# KiCad board BioAmp-EXG-Panel.kicad_pcb (continued)
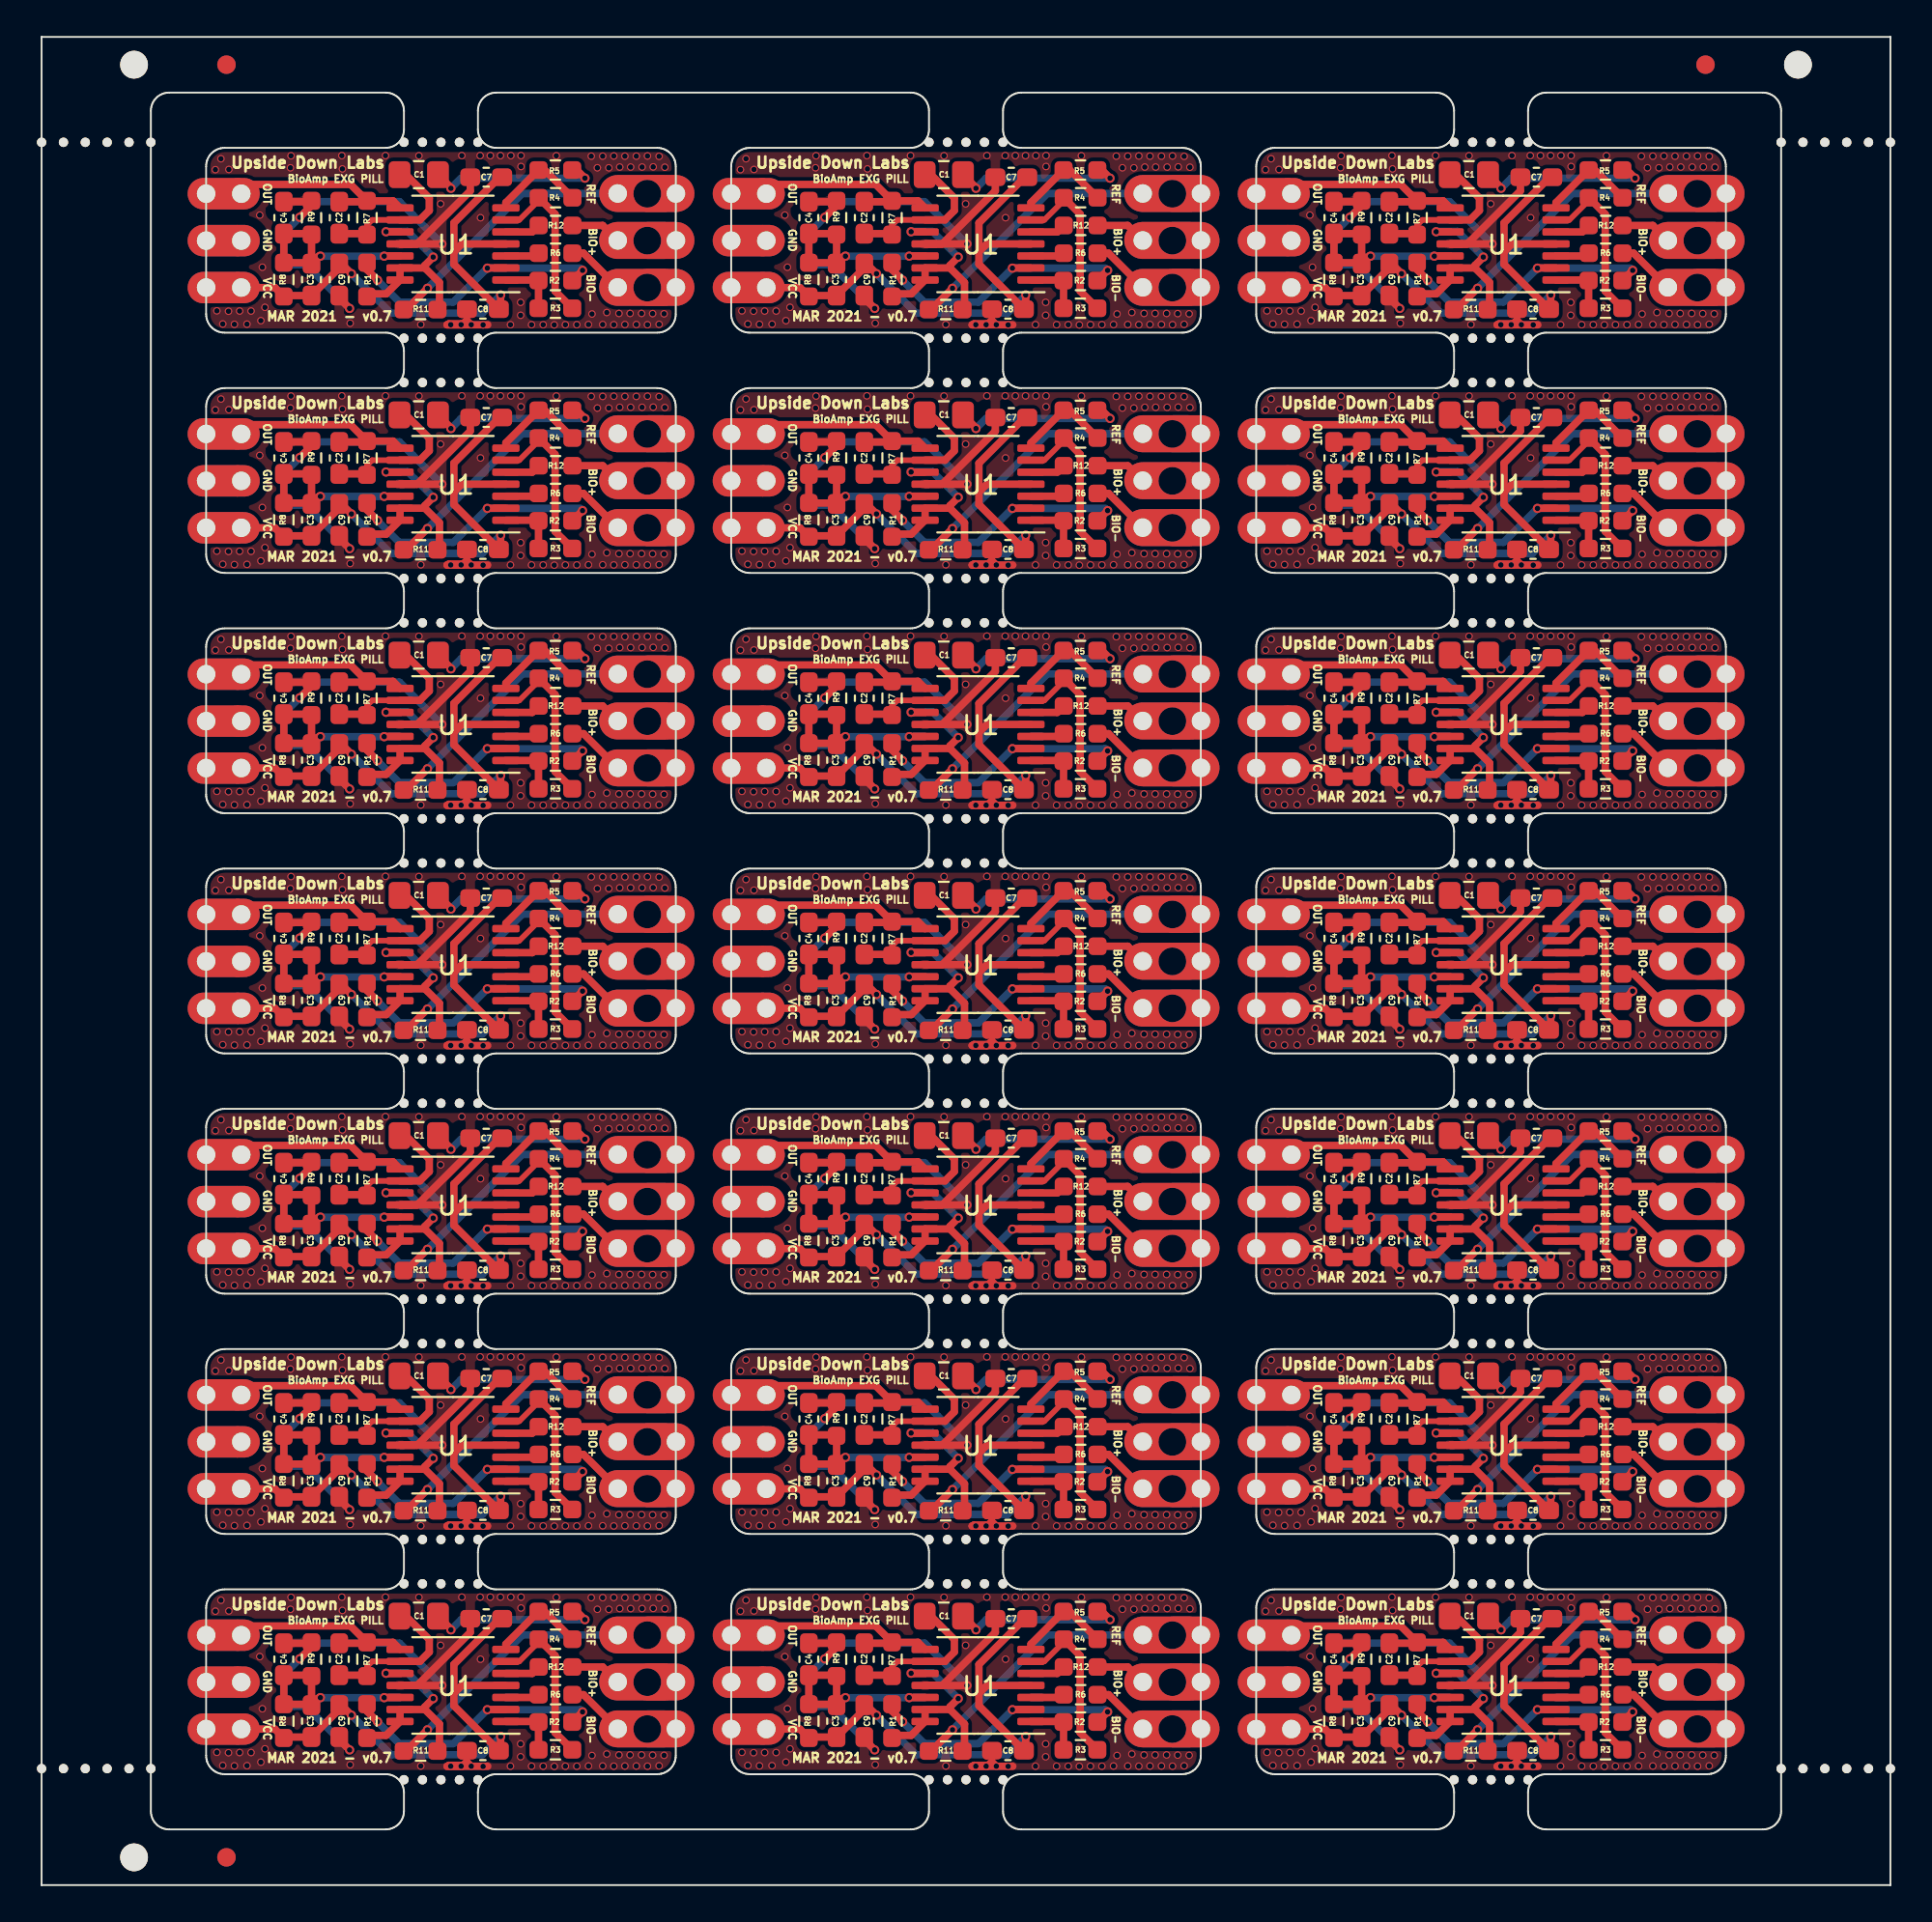
[diagram p0: board, top side]
## Routing (per net, layer and track width the routed paths; a pad name or vN(x,y) marks a point on that pad's centre or on a via; arc(x,y) is an arc through that point) (continued)
Board_19-inaOUT: length 5.2
  Top w0.4: R4#19.1 27.21,14.8 R5#19.2 25.11,13.03 U1#19.7
Board_19-Net-(C1-Pad1): length 8.6
  Top w0.3: U1#19.9 17.88,12.1 17.6,11.82 R7#19.2
  Top w0.4: R7#19.2 17.55,11.36 C2#19.2 ; 19.4,14.55 C1#19.1 19.71,14.55 20.97,13.29 20.97,12.61 20.46,12.1 U1#19.9
Board_19-Net-(C1-Pad2): length 9.4
  Top w0.4: 21.44,14.59 C1#19.2 22.14,13.85 v2(22.14,13.81) ; v2(29.39,14.36) 28.95,14.8 R5#19.1
  Bottom w0.4: v2(22.14,13.81) 22.69,14.36 v2(29.39,14.36)
Board_19-Net-(R1-Pad1): length 15.3
  Top w0.4: v2(24.11,9.49) 24.12,9.5 U1#19.2 ; v2(29.26,9.37) 28.71,8.82 R2#19.2 ; v2(18.17,8.84) 17.6,9.41 R1#19.1
  Bottom w0.4: v2(29.26,9.37) 29.14,9.49 v2(24.11,9.49) 22.27,7.65 19.35,7.65 18.21,8.79
Board_19-Net-(R2-Pad1): length 3.3
  Top w0.4: R3#19.2 R2#19.1 26.85,8.85 U1#19.1
Board_19-Net-(R3-Pad1): length 9.1
  Top w0.3: U1#19.6 25.84,12.1 26.89,13.15 R4#19.2
  Top w0.4: R3#19.1 27.78,8.25 27.78,12.41 R4#19.2
Board_19-Net-(R6-Pad1): length 1.8
  Top w0.4: R6#19.1 26.74,10.15 U1#19.3
Board_19-Net-(R12-Pad1): length 1.9
  Top w0.4: R12#19.1 26.54,11.45 U1#19.5
Board_19-OUT: length 11.2
  Top w0.4: R7#19.1 17.55,13.08 C2#19.1 ; R7#19.1 16.71,14.02 10.91,14.02 10.41,13.52 ; R7#19.1 19.01,13.13 U1#19.8
Board_19-VCC: length 30.7
  Top w0.4: 10.41,8.44 12.62,8.44 R8#19.2 13.15,8.01 C3#19.1 16.1,9.51 C9#19.2 16.22,9.73 v2(16.76,9.19) ; 24.81,7.25 24.81,7.52 ; 24.81,7.25 24.81,7.26 ; 24.81,7.25 24.81,7.27 ; U1#19.4 22.73,10.8 22.3,10.37 ; 22.3,10.37 22.3,11.94 24.77,14.41 C7#19.1 ; 22.3,10.37 22.3,9.7 C8#19.2 24.83,7.37 v2(24.83,8.04)
  Top w0.5: 10.75,8.24 10.57,8.42
  Bottom w0.4: v2(24.83,8.04) 23.84,7.05 18.9,7.05 v2(16.76,9.19)
Board_19-vRef: length 11.4
  Top w0.4: C3#19.2 R9#19.2 14.55,11.36 C4#19.1 R8#19.1 14.55,9.78 C3#19.2 ; C3#19.2 14.71,9.73 ; C3#19.2 14.69,9.73 ; C3#19.2 15.01,10.14 v2(15.08,10.14) ; v2(18.53,10.14) 18.54,10.15 U1#19.12
  Bottom w0.4: v2(18.53,10.14) v2(15.08,10.14)
Board_20-ampRef: length 11.4
  Top w0.4: R1#20.2 46.14,8.1 47.04,8.1 U1#20.14 U1#20.13 49.13,9.5 ; R11#20.2 49.92,7.36 49.92,8.71 49.13,9.5 ; 49.13,9.5 49.13,9.64 v2(49.58,10.09) ; 47.03,11.48 47.06,11.45 U1#20.10
  Bottom w0.4: v2(49.58,10.09) 48.19,11.48 47.03,11.48
  vias: v2(47.03,11.46)
Board_20-BIO+: length 2.9
  Top w0.4: 57.2,11.8 R12#20.2 58.75,11.8 J1#40.2
  vias: v1(61.16,10.98)
Board_20-BIO-: length 5.3
  Top w0.4: 59.29,8.41 61.1,8.41 ; 57.4,10.3 R6#20.2 57.71,10.3 J1#40.3
  vias: v1(61.16,8.44)
Board_20-DRL: length 14.3
  Top w0.4: 47.99,7.34 R11#20.1 48.12,7.25 v2(49.27,8.4)
  Bottom w0.4: J1#40.1 54.4,13.53 v2(49.27,8.4)
  vias: v1(61.16,13.52)
Board_20-GND: length 35.9
  Top w0.3: 51.13,6.48 51.41,6.76 C8#20.1 51.41,6.72 51.65,6.48
  Top w0.4: C4#20.2 42.95,13.08 R9#20.1 43,12.88 v2(42.36,12.24) ; U1#20.11 48.7,10.8 ; U1#20.11 48.58,10.8 ; U1#20.11 48.71,10.8 51.59,13.67 C7#20.2 ; U1#20.11 v2(50.05,10.8) ; 51.49,7.25 51.34,7.25 ; 51.13,6.99 C8#20.1 51.65,7.03 ; 50.45,6.46 50.43,6.48 51.1,6.48 51.15,6.42 50.33,6.42 52.53,6.42 ; v2(45.06,7.31) 44.5,7.87 C9#20.1
  Bottom w0.4: v2(50.05,10.8) 47.76,13.09 43.21,13.09 v2(42.36,12.24) 41.5,11.38 41.5,10.21 42.04,9.67 42.7,9.67 v2(45.06,7.31)
  vias: v3(37.8,14.82) v3(37.88,7.18) v3(38.1,15.41) v3(38.2,6.47) v3(38.53,14.83) v3(38.51,7.16) v3(38.83,6.45) v3(39.11,7.17) v3(39.51,6.46) v3(39.73,7.17) v3(40.2,12.36) v3(40.34,9.54) v3(40.26,6.65) v3(40.48,7.37) v3(41.89,15.57) v3(41.86,14.92) v3(44.64,15.58) v3(44.67,14.86) v3(45.09,6.51) v3(47,15.58) v3(48.81,15.57) v3(48.91,6.44) v3(49.98,12.97) v3(50.53,6.43) v3(51.13,15.58) v3(51.09,6.43) v3(51.64,6.43) v3(52.12,15.58) v3(52.14,12.22) v3(52.28,6.42) v3(52.67,15.58) v3(53.22,15.58) v3(53.78,15.58) v3(53.76,6.43) v3(54.33,15.58) v3(54.33,14.99) v3(54.31,7.64) v3(54.31,6.94) v3(54.9,6.43) v3(55.53,6.43) v3(56.13,6.42) v3(56.24,15.57) v3(56.73,6.43) v3(57.35,6.43) v3(57.98,6.44) v3(58.13,15.55) v3(58.17,7.01) v3(58.46,14.92) v3(58.75,15.55) v3(58.75,6.44) v3(58.97,7.09) v3(59.08,14.92) v3(59.35,15.56) v3(59.35,6.43) v3(59.63,7.04) v3(59.67,14.96) v3(59.95,15.55) v3(59.95,6.44) v3(60.23,7.04) v3(60.26,14.96) v3(60.57,15.55) v3(60.57,6.44) v3(60.88,14.96) v3(60.85,7.04) v3(61.17,15.56) v3(61.17,6.43) v3(61.48,14.97) v3(61.45,7.03) v3(61.8,15.54) v3(61.8,6.45) v3(62.11,14.95) v3(62.07,7.02)
Board_20-inaOUT: length 5.2
  Top w0.4: R4#20.1 55.61,14.8 R5#20.2 53.51,13.03 U1#20.7
Board_20-Net-(C1-Pad1): length 8.6
  Top w0.3: U1#20.9 46.28,12.1 46,11.82 R7#20.2
  Top w0.4: R7#20.2 45.95,11.36 C2#20.2 ; 47.8,14.55 C1#20.1 48.11,14.55 49.37,13.29 49.37,12.61 48.86,12.1 U1#20.9
Board_20-Net-(C1-Pad2): length 9.4
  Top w0.4: 49.84,14.59 C1#20.2 50.54,13.85 v2(50.54,13.81) ; v2(57.79,14.36) 57.35,14.8 R5#20.1
  Bottom w0.4: v2(50.54,13.81) 51.09,14.36 v2(57.79,14.36)
Board_20-Net-(R1-Pad1): length 15.3
  Top w0.4: v2(52.51,9.49) 52.52,9.5 U1#20.2 ; v2(57.66,9.37) 57.11,8.82 R2#20.2 ; v2(46.57,8.84) 46,9.41 R1#20.1
  Bottom w0.4: v2(57.66,9.37) 57.54,9.49 v2(52.51,9.49) 50.67,7.65 47.75,7.65 46.61,8.79
Board_20-Net-(R2-Pad1): length 3.3
  Top w0.4: R3#20.2 R2#20.1 55.25,8.85 U1#20.1
Board_20-Net-(R3-Pad1): length 9.1
  Top w0.3: U1#20.6 54.24,12.1 55.29,13.15 R4#20.2
  Top w0.4: R3#20.1 56.18,8.25 56.18,12.41 R4#20.2
Board_20-Net-(R6-Pad1): length 1.8
  Top w0.4: R6#20.1 55.14,10.15 U1#20.3
Board_20-Net-(R12-Pad1): length 1.9
  Top w0.4: R12#20.1 54.94,11.45 U1#20.5
Board_20-OUT: length 11.2
  Top w0.4: R7#20.1 45.95,13.08 C2#20.1 ; R7#20.1 45.11,14.02 39.31,14.02 38.81,13.52 ; R7#20.1 47.41,13.13 U1#20.8
Board_20-VCC: length 30.7
  Top w0.4: 38.81,8.44 41.02,8.44 R8#20.2 41.55,8.01 C3#20.1 44.5,9.51 C9#20.2 44.62,9.73 v2(45.16,9.19) ; 53.21,7.25 53.21,7.52 ; 53.21,7.25 53.21,7.26 ; 53.21,7.25 53.21,7.27 ; U1#20.4 51.13,10.8 50.7,10.37 ; 50.7,10.37 50.7,11.94 53.17,14.41 C7#20.1 ; 50.7,10.37 50.7,9.7 C8#20.2 53.23,7.37 v2(53.23,8.04)
  Top w0.5: 39.15,8.24 38.97,8.42
  Bottom w0.4: v2(53.23,8.04) 52.24,7.05 47.3,7.05 v2(45.16,9.19)
Board_20-vRef: length 11.4
  Top w0.4: C3#20.2 R9#20.2 42.95,11.36 C4#20.1 R8#20.1 42.95,9.78 C3#20.2 ; C3#20.2 43.11,9.73 ; C3#20.2 43.09,9.73 ; C3#20.2 43.41,10.14 v2(43.48,10.14) ; v2(46.93,10.14) 46.94,10.15 U1#20.12
  Bottom w0.4: v2(46.93,10.14) v2(43.48,10.14)
Board_21-ampRef: length 11.4
  Top w0.4: R1#21.2 74.54,8.1 75.44,8.1 U1#21.14 U1#21.13 77.53,9.5 ; R11#21.2 78.32,7.36 78.32,8.71 77.53,9.5 ; 77.53,9.5 77.53,9.64 v2(77.98,10.09) ; 75.43,11.48 75.46,11.45 U1#21.10
  Bottom w0.4: v2(77.98,10.09) 76.59,11.48 75.43,11.48
  vias: v2(75.43,11.46)
Board_21-BIO+: length 2.9
  Top w0.4: 85.6,11.8 R12#21.2 87.15,11.8 J1#42.2
  vias: v1(89.56,10.98)
Board_21-BIO-: length 5.3
  Top w0.4: 87.69,8.41 89.5,8.41 ; 85.8,10.3 R6#21.2 86.11,10.3 J1#42.3
  vias: v1(89.56,8.44)
Board_21-DRL: length 14.3
  Top w0.4: 76.39,7.34 R11#21.1 76.52,7.25 v2(77.67,8.4)
  Bottom w0.4: J1#42.1 82.8,13.53 v2(77.67,8.4)
  vias: v1(89.56,13.52)
Board_21-GND: length 35.9
  Top w0.3: 79.53,6.48 79.81,6.76 C8#21.1 79.81,6.72 80.05,6.48
  Top w0.4: C4#21.2 71.35,13.08 R9#21.1 71.4,12.88 v2(70.76,12.24) ; U1#21.11 77.1,10.8 ; U1#21.11 76.98,10.8 ; U1#21.11 77.11,10.8 79.99,13.67 C7#21.2 ; U1#21.11 v2(78.45,10.8) ; 79.89,7.25 79.74,7.25 ; 79.53,6.99 C8#21.1 80.05,7.03 ; 78.85,6.46 78.83,6.48 79.5,6.48 79.56,6.42 78.73,6.42 80.93,6.42 ; v2(73.46,7.31) 72.9,7.87 C9#21.1
  Bottom w0.4: v2(78.45,10.8) 76.16,13.09 71.61,13.09 v2(70.76,12.24) 69.9,11.38 69.9,10.21 70.44,9.67 71.1,9.67 v2(73.46,7.31)
  vias: v3(66.2,14.82) v3(66.28,7.18) v3(66.5,15.41) v3(66.6,6.47) v3(66.93,14.83) v3(66.91,7.16) v3(67.23,6.45) v3(67.51,7.17) v3(67.91,6.46) v3(68.13,7.17) v3(68.6,12.36) v3(68.74,9.54) v3(68.66,6.65) v3(68.88,7.37) v3(70.29,15.57) v3(70.26,14.92) v3(73.04,15.58) v3(73.07,14.86) v3(73.49,6.51) v3(75.4,15.58) v3(77.21,15.57) v3(77.31,6.44) v3(78.38,12.97) v3(78.93,6.43) v3(79.53,15.58) v3(79.49,6.43) v3(80.04,6.43) v3(80.52,15.58) v3(80.54,12.22) v3(80.68,6.42) v3(81.07,15.58) v3(81.62,15.58) v3(82.18,15.58) v3(82.16,6.43) v3(82.73,15.58) v3(82.73,14.99) v3(82.71,7.64) v3(82.71,6.94) v3(83.3,6.43) v3(83.93,6.43) v3(84.53,6.42) v3(84.64,15.57) v3(85.13,6.43) v3(85.75,6.43) v3(86.38,6.44) v3(86.53,15.55) v3(86.57,7.01) v3(86.86,14.92) v3(87.15,15.55) v3(87.15,6.44) v3(87.37,7.09) v3(87.48,14.92) v3(87.75,15.56) v3(87.75,6.43) v3(88.03,7.04) v3(88.07,14.96) v3(88.35,15.55) v3(88.35,6.44) v3(88.63,7.04) v3(88.66,14.96) v3(88.97,15.55) v3(88.97,6.44) v3(89.28,14.96) v3(89.25,7.04) v3(89.57,15.56) v3(89.57,6.43) v3(89.88,14.97) v3(89.85,7.03) v3(90.2,15.54) v3(90.2,6.45) v3(90.51,14.95) v3(90.47,7.02)
Board_21-inaOUT: length 5.2
  Top w0.4: R4#21.1 84.01,14.8 R5#21.2 81.91,13.03 U1#21.7
Board_21-Net-(C1-Pad1): length 8.6
  Top w0.3: U1#21.9 74.68,12.1 74.4,11.82 R7#21.2
  Top w0.4: R7#21.2 74.35,11.36 C2#21.2 ; 76.2,14.55 C1#21.1 76.51,14.55 77.77,13.29 77.77,12.61 77.26,12.1 U1#21.9
Board_21-Net-(C1-Pad2): length 9.4
  Top w0.4: 78.24,14.59 C1#21.2 78.94,13.85 v2(78.94,13.81) ; v2(86.19,14.36) 85.75,14.8 R5#21.1
  Bottom w0.4: v2(78.94,13.81) 79.49,14.36 v2(86.19,14.36)
Board_21-Net-(R1-Pad1): length 15.3
  Top w0.4: v2(80.91,9.49) 80.92,9.5 U1#21.2 ; v2(86.06,9.37) 85.51,8.82 R2#21.2 ; v2(74.97,8.84) 74.4,9.41 R1#21.1
  Bottom w0.4: v2(86.06,9.37) 85.94,9.49 v2(80.91,9.49) 79.07,7.65 76.15,7.65 75.01,8.79
Board_21-Net-(R2-Pad1): length 3.3
  Top w0.4: R3#21.2 R2#21.1 83.65,8.85 U1#21.1
Board_21-Net-(R3-Pad1): length 9.1
  Top w0.3: U1#21.6 82.64,12.1 83.69,13.15 R4#21.2
  Top w0.4: R3#21.1 84.58,8.25 84.58,12.41 R4#21.2
Board_21-Net-(R6-Pad1): length 1.8
  Top w0.4: R6#21.1 83.54,10.15 U1#21.3
Board_21-Net-(R12-Pad1): length 1.9
  Top w0.4: R12#21.1 83.34,11.45 U1#21.5
Board_21-OUT: length 11.2
  Top w0.4: R7#21.1 74.35,13.08 C2#21.1 ; R7#21.1 73.51,14.02 67.71,14.02 67.21,13.52 ; R7#21.1 75.81,13.13 U1#21.8
Board_21-VCC: length 30.7
  Top w0.4: 67.21,8.44 69.42,8.44 R8#21.2 69.95,8.01 C3#21.1 72.9,9.51 C9#21.2 73.02,9.73 v2(73.56,9.19) ; 81.61,7.25 81.61,7.52 ; 81.61,7.25 81.61,7.26 ; 81.61,7.25 81.61,7.27 ; U1#21.4 79.53,10.8 79.1,10.37 ; 79.1,10.37 79.1,11.94 81.57,14.41 C7#21.1 ; 79.1,10.37 79.1,9.7 C8#21.2 81.63,7.37 v2(81.63,8.04)
  Top w0.5: 67.55,8.24 67.37,8.42
  Bottom w0.4: v2(81.63,8.04) 80.64,7.05 75.7,7.05 v2(73.56,9.19)
Board_21-vRef: length 11.4
  Top w0.4: C3#21.2 R9#21.2 71.35,11.36 C4#21.1 R8#21.1 71.35,9.78 C3#21.2 ; C3#21.2 71.51,9.73 ; C3#21.2 71.49,9.73 ; C3#21.2 71.81,10.14 v2(71.88,10.14) ; v2(75.33,10.14) 75.34,10.15 U1#21.12
  Bottom w0.4: v2(75.33,10.14) v2(71.88,10.14)

## Copper pours and planes (outline as drawn; the poured copper is in the pictures)
Board_1-GND on Top: 34.31,83.99 8.91,83.99 8.91,94.01 34.31,94.01
Board_1-GND on Bottom: 34.31,83.99 8.91,83.99 8.91,94.01 34.31,94.01
Board_2-GND on Top: 62.71,83.99 37.31,83.99 37.31,94.01 62.71,94.01
Board_2-GND on Bottom: 62.71,83.99 37.31,83.99 37.31,94.01 62.71,94.01
Board_3-GND on Top: 91.11,83.99 65.71,83.99 65.71,94.01 91.11,94.01
Board_3-GND on Bottom: 91.11,83.99 65.71,83.99 65.71,94.01 91.11,94.01
Board_4-GND on Top: 34.31,70.99 8.91,70.99 8.91,81.01 34.31,81.01
Board_4-GND on Bottom: 34.31,70.99 8.91,70.99 8.91,81.01 34.31,81.01
Board_5-GND on Top: 62.71,70.99 37.31,70.99 37.31,81.01 62.71,81.01
Board_5-GND on Bottom: 62.71,70.99 37.31,70.99 37.31,81.01 62.71,81.01
Board_6-GND on Top: 91.11,70.99 65.71,70.99 65.71,81.01 91.11,81.01
Board_6-GND on Bottom: 91.11,70.99 65.71,70.99 65.71,81.01 91.11,81.01
Board_7-GND on Top: 34.31,57.99 8.91,57.99 8.91,68.01 34.31,68.01
Board_7-GND on Bottom: 34.31,57.99 8.91,57.99 8.91,68.01 34.31,68.01
Board_8-GND on Top: 62.71,57.99 37.31,57.99 37.31,68.01 62.71,68.01
Board_8-GND on Bottom: 62.71,57.99 37.31,57.99 37.31,68.01 62.71,68.01
Board_9-GND on Top: 91.11,57.99 65.71,57.99 65.71,68.01 91.11,68.01
Board_9-GND on Bottom: 91.11,57.99 65.71,57.99 65.71,68.01 91.11,68.01
Board_10-GND on Top: 34.31,44.99 8.91,44.99 8.91,55.01 34.31,55.01
Board_10-GND on Bottom: 34.31,44.99 8.91,44.99 8.91,55.01 34.31,55.01
Board_11-GND on Top: 62.71,44.99 37.31,44.99 37.31,55.01 62.71,55.01
Board_11-GND on Bottom: 62.71,44.99 37.31,44.99 37.31,55.01 62.71,55.01
Board_12-GND on Top: 91.11,44.99 65.71,44.99 65.71,55.01 91.11,55.01
Board_12-GND on Bottom: 91.11,44.99 65.71,44.99 65.71,55.01 91.11,55.01
Board_13-GND on Top: 34.31,31.99 8.91,31.99 8.91,42.01 34.31,42.01
Board_13-GND on Bottom: 34.31,31.99 8.91,31.99 8.91,42.01 34.31,42.01
Board_14-GND on Top: 62.71,31.99 37.31,31.99 37.31,42.01 62.71,42.01
Board_14-GND on Bottom: 62.71,31.99 37.31,31.99 37.31,42.01 62.71,42.01
Board_15-GND on Top: 91.11,31.99 65.71,31.99 65.71,42.01 91.11,42.01
Board_15-GND on Bottom: 91.11,31.99 65.71,31.99 65.71,42.01 91.11,42.01
Board_16-GND on Top: 34.31,18.99 8.91,18.99 8.91,29.01 34.31,29.01
Board_16-GND on Bottom: 34.31,18.99 8.91,18.99 8.91,29.01 34.31,29.01
Board_17-GND on Top: 62.71,18.99 37.31,18.99 37.31,29.01 62.71,29.01
Board_17-GND on Bottom: 62.71,18.99 37.31,18.99 37.31,29.01 62.71,29.01
Board_18-GND on Top: 91.11,18.99 65.71,18.99 65.71,29.01 91.11,29.01
Board_18-GND on Bottom: 91.11,18.99 65.71,18.99 65.71,29.01 91.11,29.01
Board_19-GND on Top: 34.31,5.99 8.91,5.99 8.91,16.01 34.31,16.01
Board_19-GND on Bottom: 34.31,5.99 8.91,5.99 8.91,16.01 34.31,16.01
Board_20-GND on Top: 62.71,5.99 37.31,5.99 37.31,16.01 62.71,16.01
Board_20-GND on Bottom: 62.71,5.99 37.31,5.99 37.31,16.01 62.71,16.01
Board_21-GND on Top: 91.11,5.99 65.71,5.99 65.71,16.01 91.11,16.01
Board_21-GND on Bottom: 91.11,5.99 65.71,5.99 65.71,16.01 91.11,16.01

## Text on the board
B.SilkS: BioAmp EXG Pill / v0.7
F.SilkS: BioAmp EXG PILL | OUT | GND | VCC | REF | BIO- | BIO+ | MAR 2021 - v0.7 | Upside Down Labs
